# Altium PCB Copy of foxbms2-master.PcbDoc (part 1 of 11)
Units mm, origin at the board's own origin, x right, y up, seen from the top; angles counter-clockwise.
Board outline 200.11 x 130.05 mm, 8 copper layers (Top, Int1 (Sig), Int2 (Gnd), Int3 (Sig), Int4 (Sig), Int5 (Pwr), Int6 (Sig), Bottom), stack 1.636 mm thick; 806 components, 624 nets, 2842 pads, 2609 vias.
Unrouted connection lines stored in the file: 3.
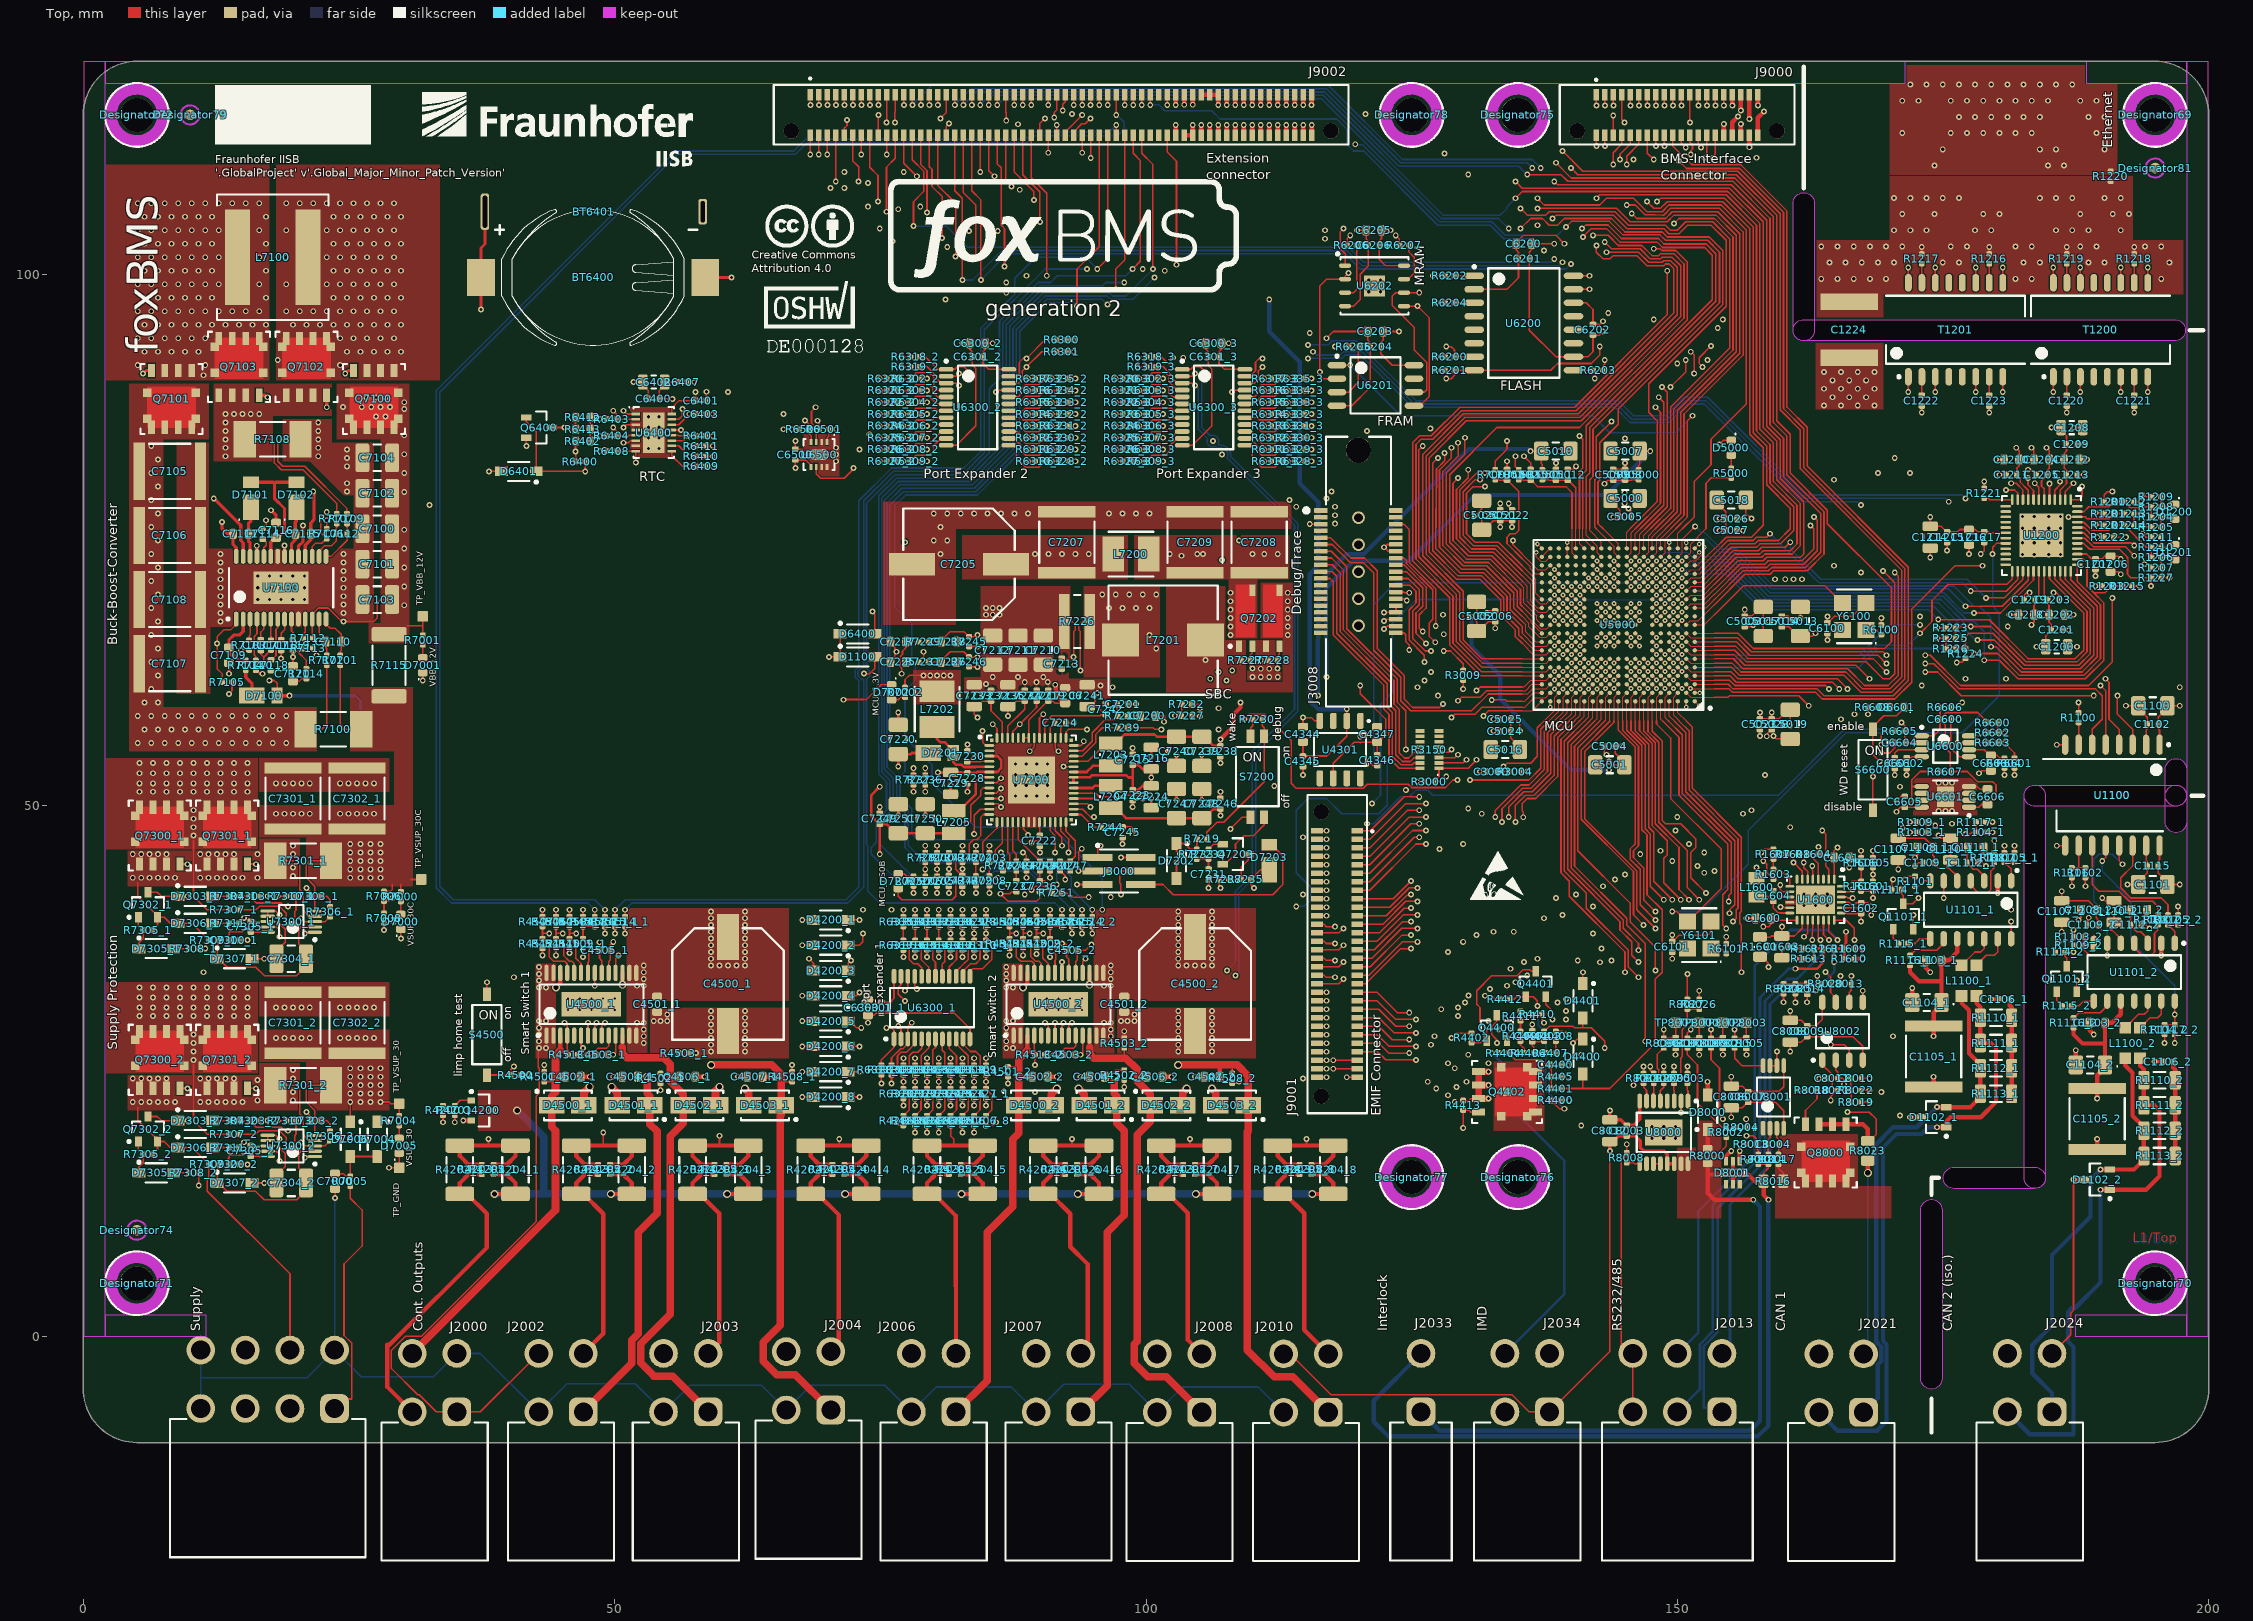
[diagram p0: Top view]
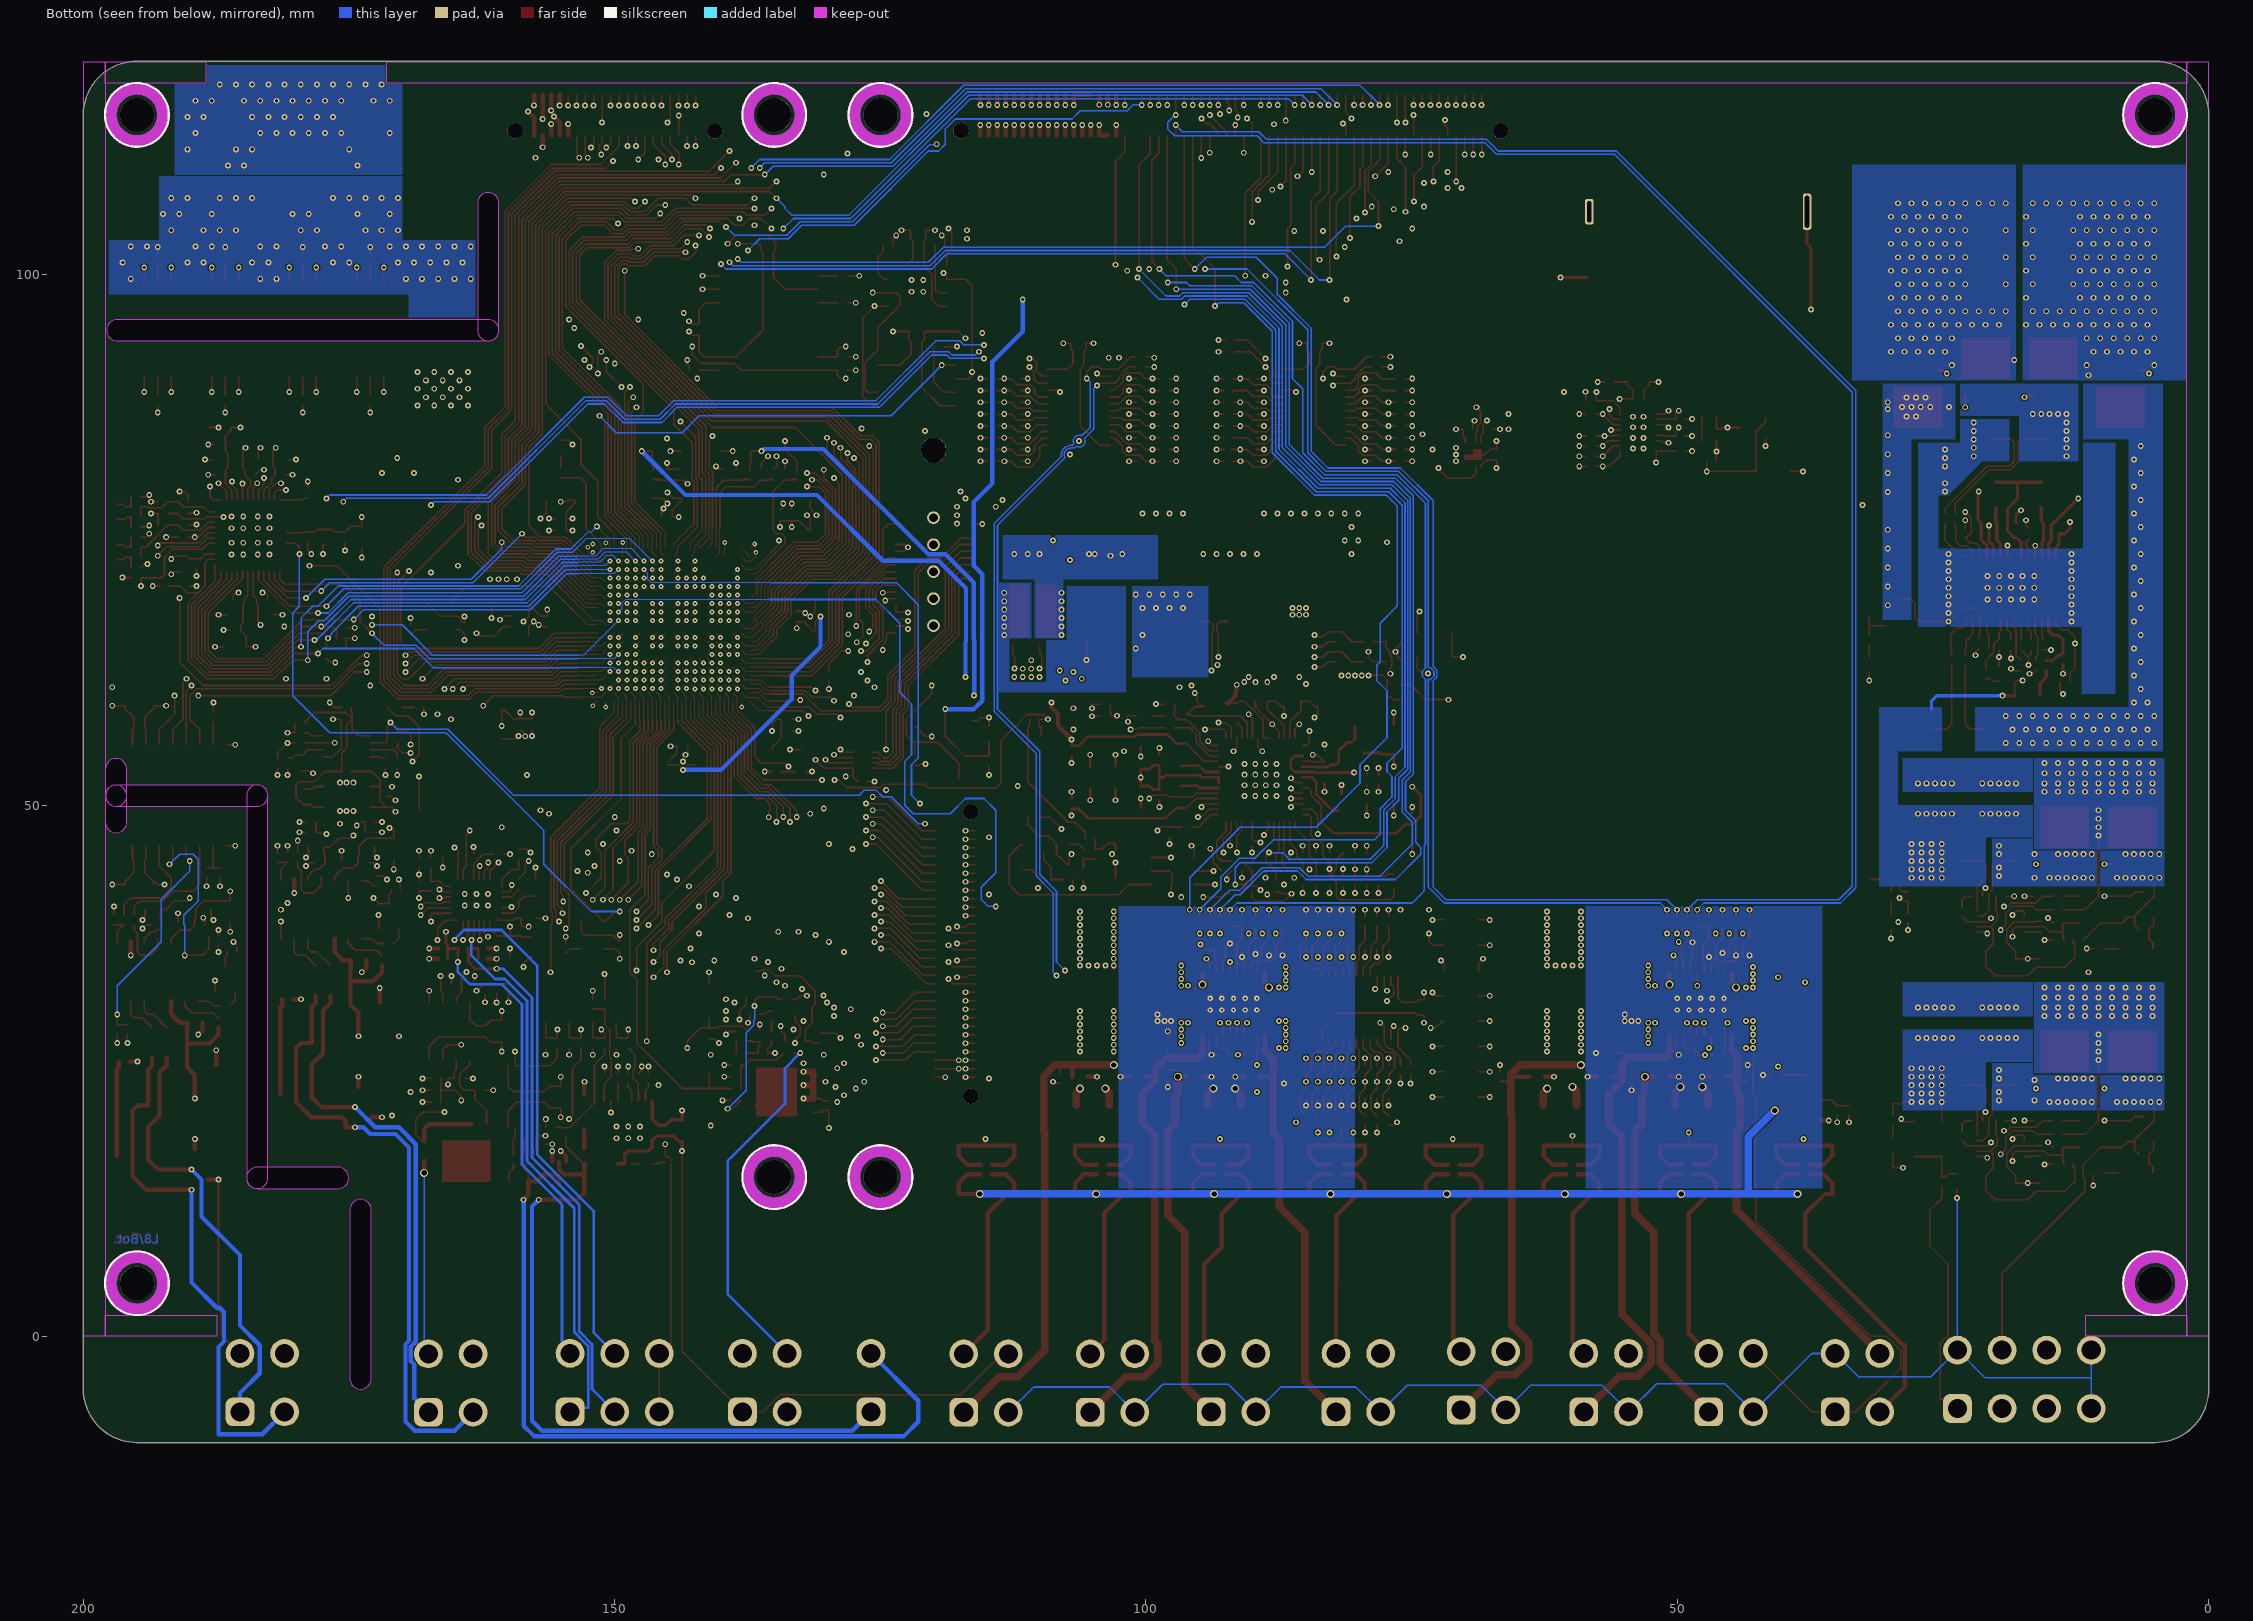
[diagram p1: Bottom view, seen from below]
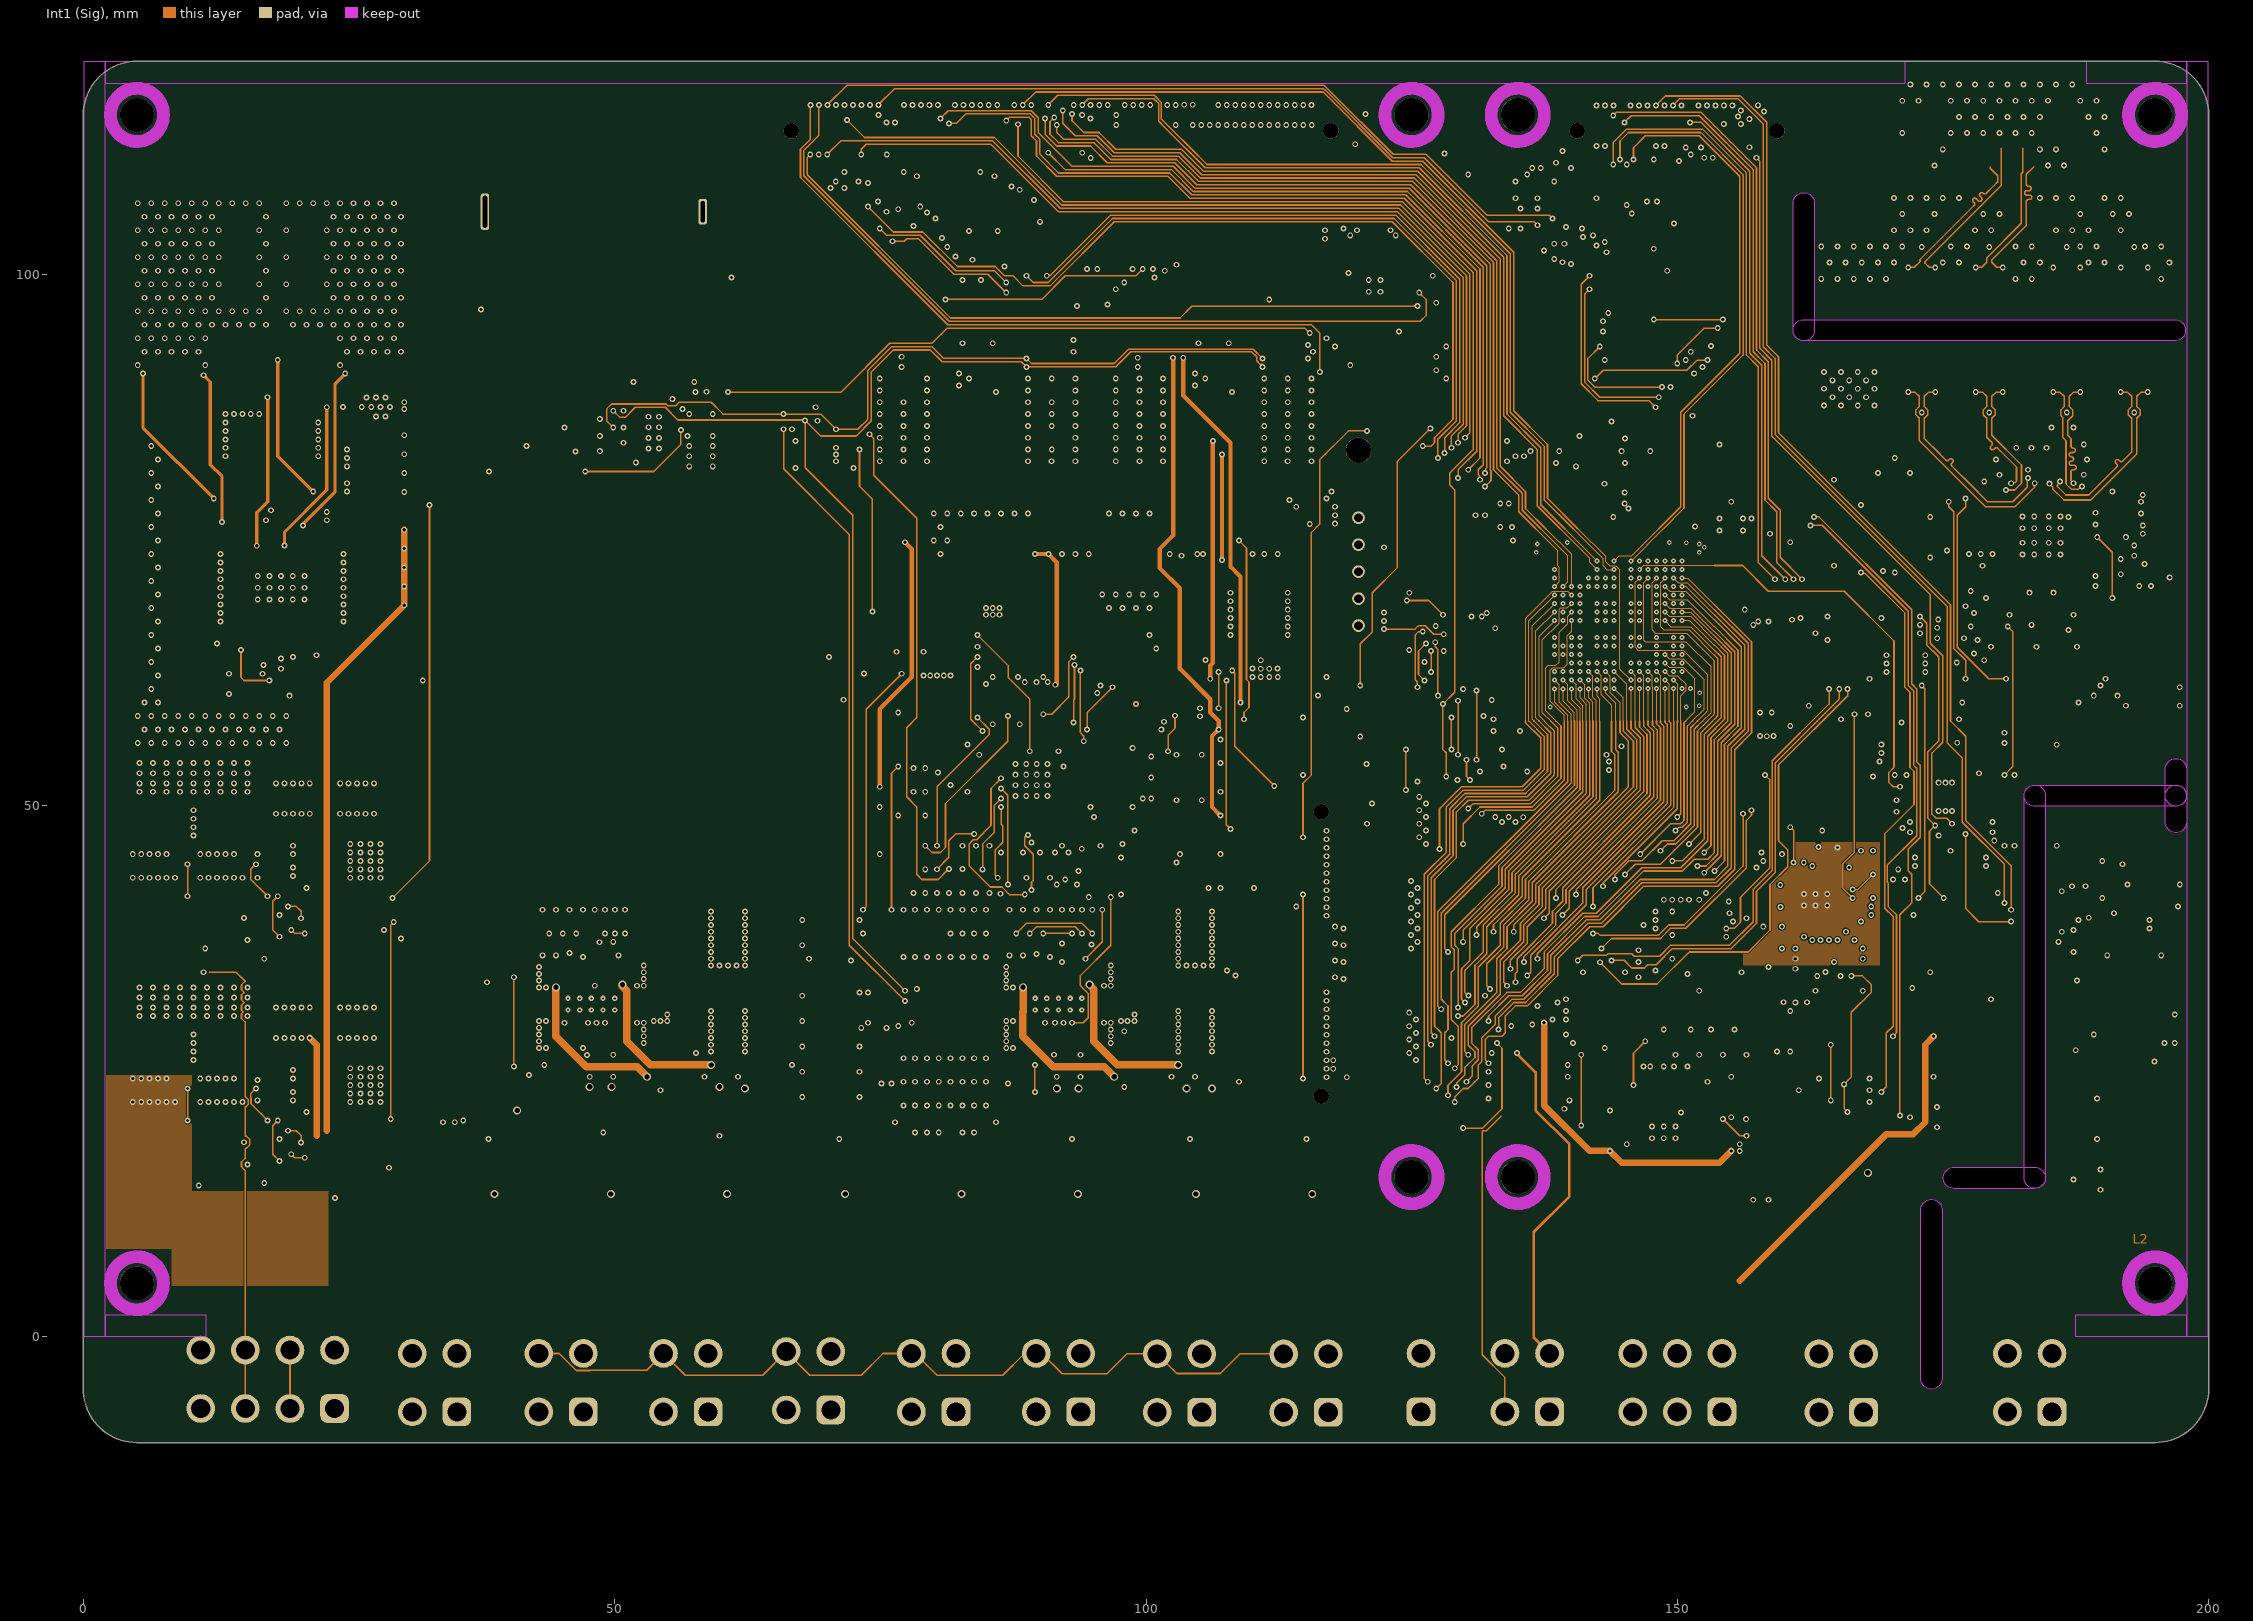
[diagram p2: Int1 (Sig)]
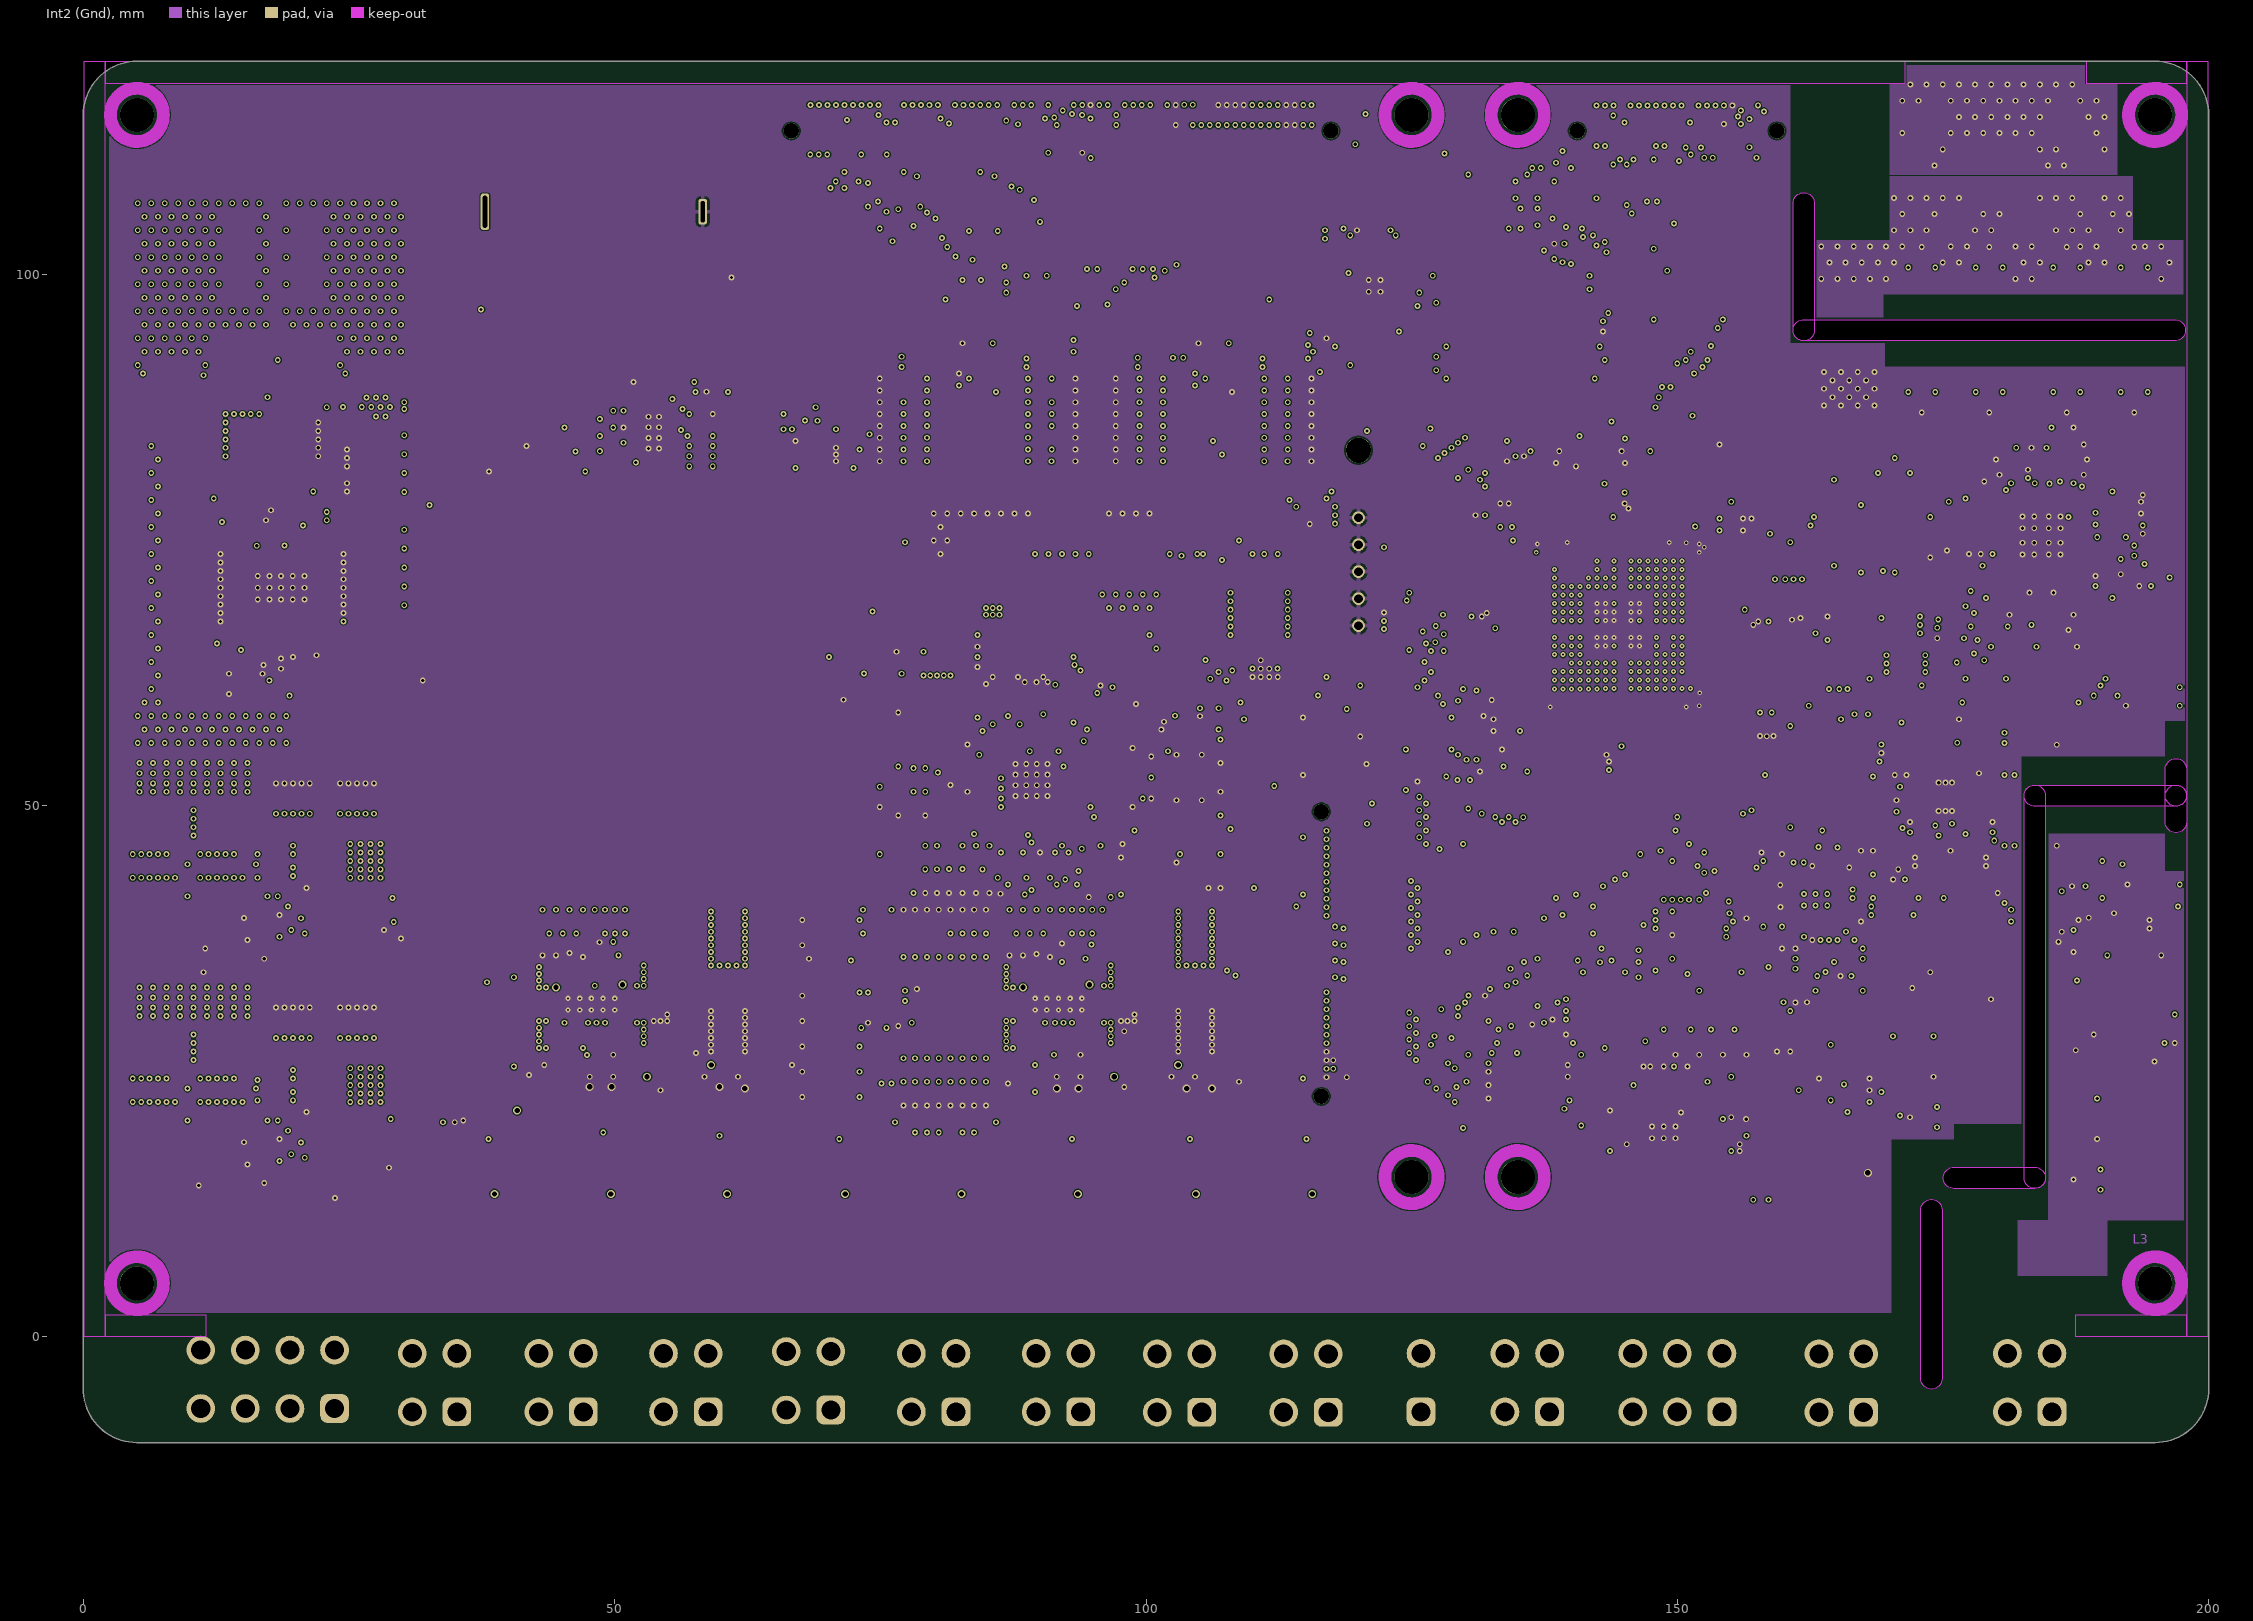
[diagram p3: Int2 (Gnd)]